# Altium PCB dev-board.PcbDoc (part 2 of 3)
Units mil, origin at the board's own origin, x right, y up, seen from the top; angles counter-clockwise.
Board outline 5607.36 x 4976.81 mil, 4 copper layers (Top Layer, Mid Layer 1, Mid Layer 2, Bottom Layer), stack 62.449 mil thick; 260 components, 115 nets, 707 pads, 1011 vias.
Unrouted connection lines stored in the file: 1.
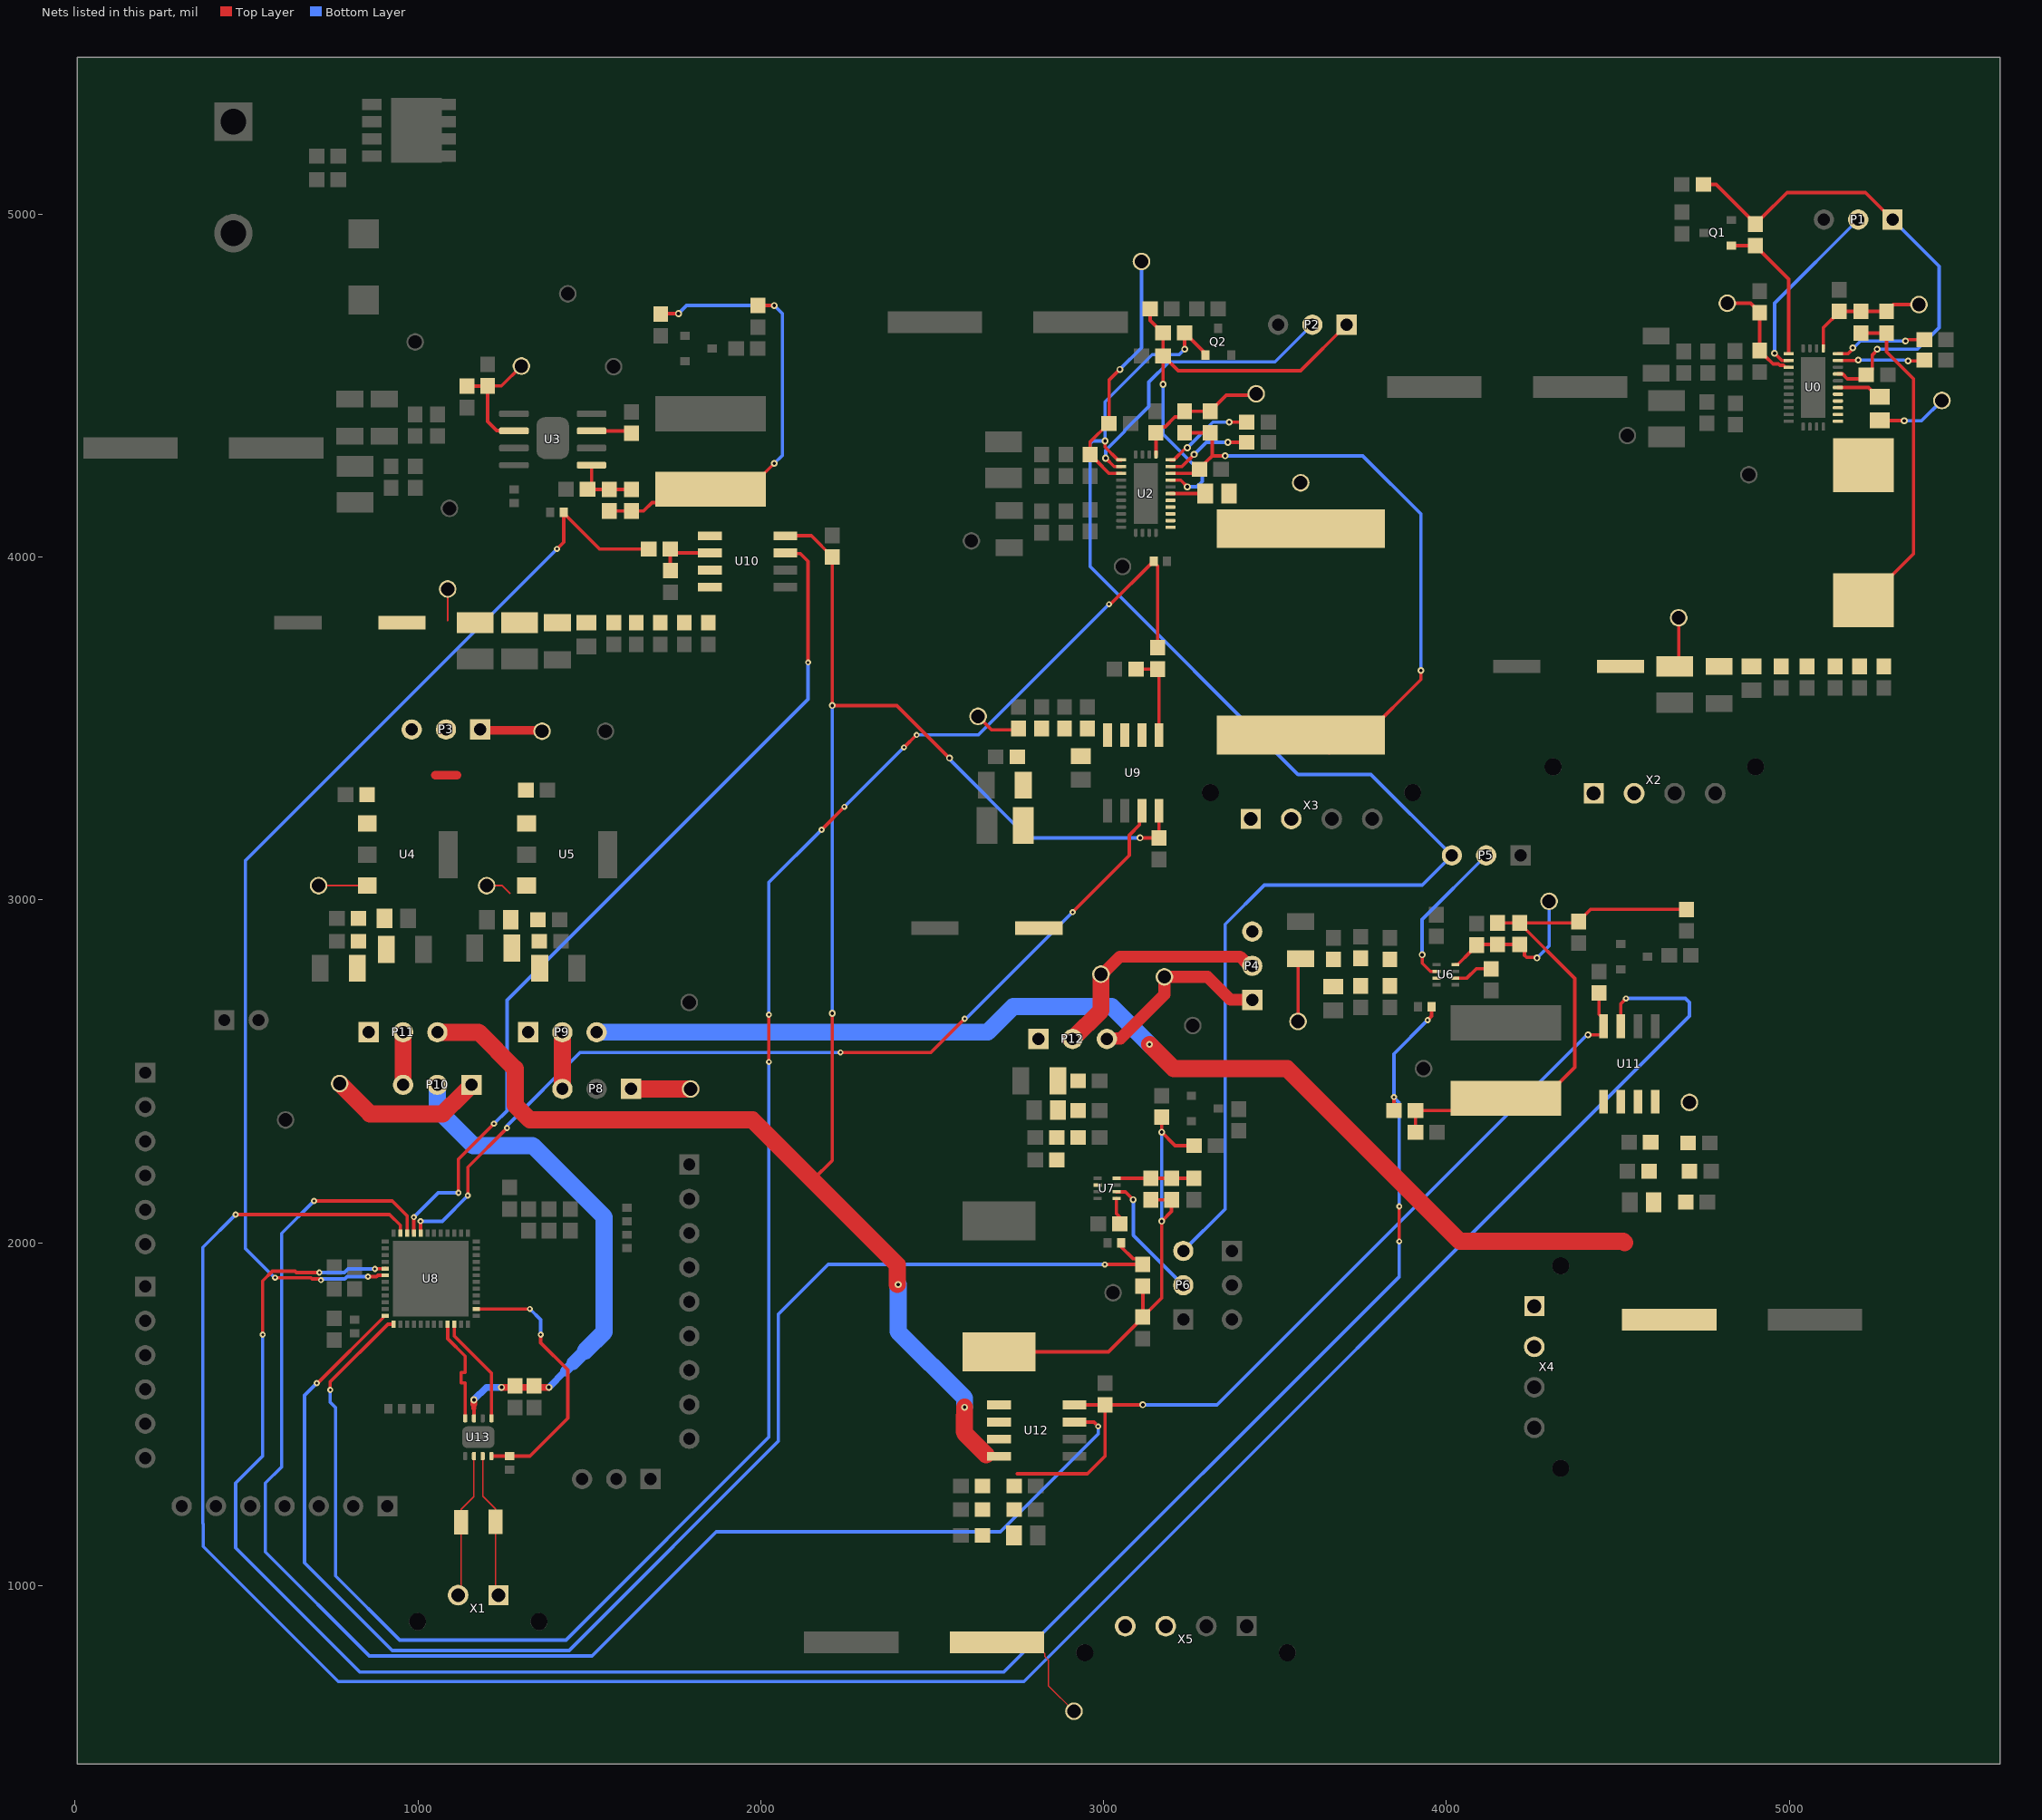
[diagram p4: the nets of this part, all layers, seen from the top]

## Part data (continued)
R25: library part RES-110K-0001, "110 kOhms ±1% 0.1W, 1/10W Chip Resistor 0603 (1608 Metric) Moisture Resistant Thick Film", Package Size=0603, Power="1/10 W", Resistance="110 kOhm", Tolerance="+/- 1%", Assembled?=No
R31: library part RES-30.9K-0001, "30.9 kOhms ±1% 0.1W, 1/10W Chip Resistor 0603 (1608 Metric) Moisture Resistant Thick Film", Package Size=0603, Power="1/10 W", Resistance="30.9 kOhm", Tolerance=1%, Assembled?=No
R32: library part RES-4.7K-0002, "RES SMD 4.7K OHM 1% 1/10W 0603", Manufacturer=YAGEO, Package Size=0603, Power Rating=1/10W, Resistance="4.7kOhm +/-1%", Assembled?=no, Manufacturer Part Number=AF0603FR-074K7L
R37: library part RES-220-003, "220 Ohms ±5% 0.1W, 1/10W Chip Resistor 0603 (1608 Metric) Automotive AEC-Q200, Moisture Resistant Thick Film", Package Size=0603, Power="1/10 W", Resistance="220 Ohm", Tolerance="+/- 5%"
R39: library part RES-73.2K-0001, "73.2 kOhms ±1% 0.1W, 1/10W Chip Resistor 0603 (1608 Metric) Moisture Resistant Thick Film", Package Size=0603, Power="1/10 W", Resistance="73.2 kOhm", Tolerance=1%, Assembled?=No
R41 R44 R45 R46 R47: library part RES-4.7K-0001, "RES SMD 4.7K OHM 1% 1/16W 0402", Manufacturer=YAGEO, Package Size=0402, Power Rating=1/16W, Resistance="4.7kOhm +/-1%", Assembled?=no, Manufacturer Part Number=RC0402FR-074K7P
TP1 TP2 TP3 TP4 TP5 TP6 TP7 TP8 TP9 TP10 TP11 TP12 TP13 TP14 TP15 TP16 TP17 TP18 TP19 TP20 TP21 TP22 TP23 TP24 TP25 TP26 TP27 TP28 TP29 TP30 TP31 TP32 TP33 TP34 TP35: library part TEST-POINT-0001, "Oranange PC Test Point, Miniature Phoisphor Bronze Silver Plating Through Hole Mounting Type"
U0 U2: library part IC-BUCK-0006, "Buck Switching Regulator IC Positive Adjustable 1V 1 Output 5A 30-WFQFN Exposed Pad", Current=5A, Manufacturer="Texas Instruments", Package=30-WFQFN, Assembled?=no, Manufacturer Part Number=LM76005RNPR, Type=Buck
U3: library part IC-BUCK-0007, "Buck Switching Regulator IC Positive Adjustable 1V 1 Output 2A 8-PowerSOIC (0.154\", 3.90mm Width)", Current=2A, Manufactuer="Texas Instruments", Package=8-PowerSOIC, Assembled?=no, Manufacturer Part Number=LMR38020SDDAR, Type=Buck
U4: library part IC-LDO-5V-0003, "Linear Voltage Regulator IC Positive Fixed 1 Output 500mA SOT-223-4", Current="500 mA", Manufacturer="Texas Instruments", Package Size=SOT223-4, Assembled?=no, Manufacturer Part Number=UA78M05IDCYR, Type="Low dropout (LDO)"
U5: library part IC-LDO-3.3V-0002, "Linear Voltage Regulator IC Positive Fixed 1 Output 500mA SOT-223-4", Current="500 mA", Package=SOT-223-4, Vin=25V, Vout=3.3V
U6: library part IC-BUCK-0010, "Buck Switching Regulator IC Positive Adjustable 0.8V 1 Output 3A SOT-583", Current=3A, Manufacturer="Texas Instruments", Assembled?=no, Manufacturer Part Number=TPS62933ODRLR, Type=Buck
U7: library part IC-BUCK-0008, "Buck Switching Regulator IC Positive Adjustable 0.6V 1 Output 3A SOT-583", Current=3A, Manufacturer="Texaas Instruments", Package Size=SOT-583, Assembled?=no, Manufacturer Part Number=TPS563212DRLR, Type=Buck
U8: library part IC-STM32G431CBU6, "128KB 1.71V~3.6V ARM-MSeries 32KB 170MHz FLASH 42 UFQFPN-48(7x7) Microcontroller Units (MCUs/MPUs/SOCs) ROHS", Package=UFQFPN-48, Assembled?=no, Manufacturer Part Number=STM32G431CBU6
U9 U10 U11 U12: library part IC-CURRENT-0004, "Current Sensor 1 Channel Hall Effect Bidirectional 8-SOIC (0.154\", 3.90mm Width)", Supply Voltage=5V, Assembled?=No
U13: library part IC-CAN-TRANSCEIVER-0002, "1/1 Transceiver CANbus 8-VSON (3x3)", Manufacturer="Texas Instrument", CAN Capability=FD-CAN, Manufacturer Part Number=TCAN1042HGDRBTQ1
X1: library part "Micro-Fit Molex 2 Pin Vertical", Package=43650-0215, DeviceName=43650-0215, DeviceSetName=HEADER_POS2_?, GateName_1=G$1, LibraryName=con-molex-micro-fit-3_0_2, SymbolName_1=HEADER_POS2
X2 X3 X4 X5: library part "Micro-Fit Molex 4 Pin Vertical", Package=43650-0415, DeviceName=43650-0415, DeviceSetName=HEADER_POS4_?, GateName_1=G$1, LibraryName=con-molex-micro-fit-3_0_2, SymbolName_1=HEADER_POS4

## Via types
v1: diameter 20, hole 10, Top Layer to Bottom Layer, tented both sides, 931 vias
v2: diameter 17.72, hole 7.87, Top Layer to Bottom Layer, tented both sides, 56 vias
v3: diameter 11.81, hole 7.87, Top Layer to Bottom Layer, 24 vias

## Nets (pads, with @x,y where several pads share a name; then routed paths per layer and width w, separated by ;. In a path a pad name is that pad's centre, name@x,y a point inside that pad or via, vN(x,y) a via of type N, cw(c..) or ccw(c..) an arc to the next point about the centre after c; other vN are vias at no path point)
3V3_BUCK_MAIN: C102.1 C103.1 C104.1 C105.1 C106.1 C107.1 C108.1 P9.3 TP23.1 U11.3 U11.4 X4.P$1 X4.P$2 | length 3319.8
  Top Layer w50: v1(3133.86,2578.74) 3204.72,2507.87 3535.43,2507.87 4039.37,2003.94 4515.75,2003.94 4519.69,2000
  Bottom Layer w50: P9.3@1521.26,2614.17 1521.61,2614.52 2661.76,2614.52 2736.22,2688.98 3023.62,2688.98 v1@3137.41,2575.19
3V3_BUCK_OUT: C101.1 C109.1 L4.2 R29.1 R30.1 R31.1 R32.1 U11.1 U11.2 | length 1635.3
  Top Layer w10: C109.1@3909.45,2322.83 R30.1@3909.45,2385.83 4137.8,2385.83 L4.2@4173.23,2421.26 4283.46,2421.26 4374.02,2511.81 4374.02,2771.18 4212.32,2932.87 C101.1@4148.31,2932.87 ; R31.1@4213.31,2932.87 4381.69,2932.87 R32.1@4385.83,2937.01 4385.83,2937.99 4420.28,2972.44 R29.1@4699.8,2972.44
3V3_CURR: U8.11 U11.7 | length 7143.4
  Top Layer w10: v2(468.5,2082.68) 917.32,2082.68 948.82,2051.18 U8.11@948.82,2028.39 ; U11.7@4508.31,2631.61 4508.31,2697.28 v2(4523.62,2712.6)
  Bottom Layer w10: v2(468.5,2082.68) 372.5,1986.67 372.5,1181.97 374.02,1180.45 374.02,1114.17 767.72,720.47 2767.72,720.47 4708.66,2661.42 4708.66,2700.79 4696.85,2712.6 v2(4523.62,2712.6)
3V3_EXT: P8.1 TP28.1 | length 174
  Top Layer w50: P8.1@1621.26,2448.82 TP28.1@1795.28,2448.82
3V3_LDO_OUT: C88.1 C89.1 C90.1 C91.2 C92.1 P9.1 TP20.1 U5.3 | length 76.5
  Top Layer w5: TP20.1@1200.31,3041.57 1245.83,3041.57 1267.72,3019.68
3V3_ONBOARD: P8.3 P9.2 | length 165.4
  Top Layer w50: P8.3@1421.26,2448.82 P9.2@1421.26,2614.17
3V3_TMP: R30.2 R33.2 U8.17 | length 6087
  Top Layer w10: v2(547.24,1732.28) 547.24,1888.67 575.69,1917.12 641.23,1917.12 644.97,1913.39 v2(712.6,1913.39) ; v2(874.58,1923.79) 875.2,1924.41 903.9,1924.41 U8.17@904.53,1925.04 ; R30.2@3846.46,2385.83 v2(3846.46,2425.2) ; v2(3862.2,2003.94) v2(3862.2,2106.3) ; v2(3944.88,2649.61) 3956.69,2661.42 R33.2@3956.69,2688.98
  Bottom Layer w10: v2(547.24,1732.28) 547.24,1377.95 468.5,1299.21 468.5,1110.24 830.71,748.03 2708.66,748.03 3862.2,1901.57 v2(3862.2,2003.94) ; v2(712.6,1913.39) 785.57,1913.41 795.95,1923.79 v2(874.58,1923.79) ; v2(3862.2,2106.3) 3862.2,2407.36 3846.46,2423.11 v2(3846.46,2425.2) 3846.46,2551.18 v2(3944.88,2649.61)
5V: C133.1 C134.1 P10.2 U13.3 | length 1539.3
  Top Layer w10: U13.3@1163.39,1488.19 1163.39,1517.72
  Top Layer w15: 1163.39,1517.72 1163.39,1529.53
  Top Layer w20: 1163.39,1529.53 v1(1163.39,1541.89) ; v1(1244.09,1578.74) v1(1381.89,1578.74)
  Bottom Layer w20: v1(1163.39,1541.89) 1200.23,1578.74 v1(1244.09,1578.74) ; v1(1381.89,1578.74) 1429.13,1625.98
  Bottom Layer w30: 1429.13,1625.98 1452.76,1649.61
  Bottom Layer w40: 1452.76,1649.61 1488.19,1685.04
  Bottom Layer w50: P10.2@1056.69,2460.63 1056.69,2388.19 1161.42,2283.46 1334.65,2283.46 1543.31,2074.8 1543.31,1740.16 1488.19,1685.04
5V_BUCK_MAIN: C43.1 C65.1 C100.1 C119.1 C124.1 C125.1 C126.1 C127.1 C128.1 C129.1 C130.1 P11.3 TP26.1 U9.8 U10.8 U11.8 U12.3 U12.4 U12.8 X5.P$3 X5.P$4 | length 8436.3
  Top Layer w4: C124.1@2688.98,834.65 2795.28,834.65 2828.74,801.18 2828.74,793.31 2838.58,783.46 2838.58,708.66 TP26.1@2913.39,633.86
  Top Layer w10: U10.8@2072.05,4062.13 2147.52,4062.13 2208.66,4000.98 C65.1@2208.66,4000 v1(2208.66,3566.93) 2397.13,3566.93 v1(2550.33,3413.73) ; 2151.32,2182.82 2208.66,2240.16 v1(2208.66,2669.29) ; 2748.03,1326.77 2952.76,1326.77 3003.94,1377.95 C119.1@3003.94,1527.56 v1(3114.17,1527.56) ; U12.8@2915.24,1527.13 C119.1@3003.5,1527.13 ; v1(3106.3,3181.1) C43.1@3161.61,3181.1 U9.8@3161.61,3260.43 ; v1(4412.53,2606.65) 4450.51,2606.65 4458.31,2614.44 U11.8@4458.31,2631.61 4458.31,2653.27 4444.88,2666.69 C100.1@4444.88,2728.35
  Top Layer w50: P11.3@1056.69,2614.17 1177.17,2614.17 1283.46,2507.87 1283.46,2401.57 1326.77,2358.27 1975.87,2358.27 2151.32,2182.82 2397.64,1936.5 v1@2397.64,1878.3 ; v1(2594.49,1520.52) 2594.49,1496.9 2593.63,1496.05 2593.63,1449.67 2594.49,1448.82 2594.49,1444.88 2657.48,1381.89
  Bottom Layer w10: v1(2208.66,2669.29) v1(2208.66,3566.93) ; v1@2547.24,3413.39 2779.53,3181.1 v1(3106.3,3181.1) ; v1(3114.17,1527.56) 3330.71,1527.56 v1@4409.45,2606.3
  Bottom Layer w50: v1(2400.72,1878.3) 2400.72,1741.01 2594.49,1547.24 v1(2594.49,1520.52)
5V_BUCK_OUT: C121.1 C131.1 L5.2 R35.1 R37.1 R38.2 R39.1 U12.1 U12.2 | length 1402.8
  Top Layer w10: L5.2@2694.76,1682.32 3014.02,1682.32 3114.17,1782.48 C121.1@3114.17,1783.46 C121.1@3114.17,1784.45 ; R35.1@3114.17,1874.02 C121.1@3114.17,1784.45 ; R39.1@3137.95,2125.28 C131.1@3197.95,2125.28 3197.76,2125.09 3197.76,2091.46 v1(3169.29,2062.99) 3169.29,1839.57 C121.1@3114.17,1784.45 ; v1@3168.66,2323.47 3208.66,2283.46 R37.1@3263.78,2283.46 ; v1(3169.29,2322.83) R38.2@3169.29,2366.14
  Bottom Layer w10: v1(3169.29,2062.99) v1(3169.29,2322.83)
5V_CURR: U8.10 U12.7 | length 4341.1
  Top Layer w10: v2(696.85,2122.05) 925.2,2122.05 968.5,2078.74 U8.10@968.5,2028.39 ; U12.7@2915.24,1477.13 2971.69,1477.13 v2(2984.25,1464.57)
  Bottom Layer w10: v2(696.85,2122.05) 602.36,2027.56 602.36,1346.46 555.12,1299.21 555.12,1098.43 858.27,795.28 1507.87,795.28 1870.08,1157.48 2698.87,1157.48 2984.25,1442.87 v2(2984.25,1464.57)
5V_EXT: P10.1 TP29.1 | length 456.6
  Top Layer w50: TP29.1@771.65,2464.57 860.03,2376.19 1072.25,2376.19 1132.17,2436.1 P10.1@1156.69,2460.63
5V_LDO_OUT: C82.1 C83.1 C84.1 C85.2 C86.1 P11.1 TP19.1 U4.3 | length 141.9
  Top Layer w5: TP19.1@710.31,3041.57 U4.3@852.2,3041.57
5V_ONBOARD: P10.3 P11.2 | length 153.5
  Top Layer w50: P10.3@956.69,2460.63 P11.2@956.69,2614.17
5V_TMP: R35.2 R36.2 U8.24 | length 4152.1
  Top Layer w10: v2(704.72,1590.55) 706.2,1592.03 709.09,1592.03 898.7,1781.64 898.7,1786.34 899.61,1787.24 U8.24@904.3,1787.24 ; v2(3003.27,1936.74) 3003.53,1937.01 R35.2@3114.17,1937.01 3114.17,1937.2 3097.52,1953.85 3085.52,1953.85 3051.18,1988.19 R36.2@3051.18,2000
  Bottom Layer w10: v2(704.72,1590.55) 669.29,1555.12 669.29,1066.93 924.99,811.23 1441.15,811.23 2051.18,1421.26 2051.18,1791.34 2196.59,1936.74 v2(3003.27,1936.74)
12V_2A_BUCK_MAIN: C68.1 C69.1 C70.1 C71.1 C72.1 C73.1 C74.1 C75.1 C76.1 C77.1 P3.3 TP18.1 U10.3 U10.4 | length 91.9
  Top Layer w5: 1086.61,3814.96 TP18.1@1086.61,3906.89
12V_2A_BUCK_OUT: C78.1 C79.1 L3.2 R21.1 R23.1 R24.1 R25.1 U10.1 U10.2 | length 1591.2
  Top Layer w10: R25.1@1558.31,4134.53 1658.15,4134.53 1682.75,4159.13 1814.91,4159.13 L3.2@1853.31,4197.52 1963.54,4197.52 2039.06,4273.03 v1(2039.37,4273.03) ; R23.1@1708.31,4708.62 1709.72,4710.04 v1(1759.84,4710.04) ; C79.1@1736.22,3960.63 R24.1@1736.22,4023.62 1747.72,4012.13 U10.2@1851.57,4012.13 ; R21.1@1991.3,4733.66 v1(2039.37,4733.66)
  Bottom Layer w10: v1(1759.84,4710.04) 1783.46,4733.66 v1(2039.37,4733.66) 2062.99,4710.04 2062.99,4296.65 v1(2039.37,4273.03)
12V_2A_CURR: U8.9 U10.7 | length 2546.5
  Top Layer w10: U8.9@988.19,2028.39 v2(988.19,2074.8) ; v2(1118.11,2145.67) 1118.11,2243.76 v2(1221.8,2347.46) ; U10.7@2072.05,4012.13 2073.83,4010.35 2115.64,4010.35 2138.1,3987.89 v2(2138.1,3692.64)
  Bottom Layer w10: v2(988.19,2074.8) 1059.06,2145.67 v2(1118.11,2145.67) ; v2(1221.8,2347.46) 1259.84,2385.5 1259.84,2707.33 2138.1,3585.59 v2(2138.1,3692.64)
12V_2A_TMP: R24.2 R26.1 U8.18 | length 3277.5
  Top Layer w10: v2(583.5,1898.26) 583.82,1897.95 687.84,1897.95 691.24,1894.55 704.76,1894.55 ; 704.79,1894.53 716.72,1894.53 717.43,1893.82 v2(717.43,1891.19) ; v2(854.33,1901.57) 879.03,1901.57 882.81,1905.35 U8.18@904.53,1905.35 ; v2(1405.51,4023.62) 1425.2,4043.31 R26.1@1425.2,4127.95 ; R26.1@1425.2,4129.92 R26.1@1425.2,4127.95 ; R24.2@1673.23,4023.62 1529.53,4023.62 R26.1@1425.2,4127.95
  Bottom Layer w10: v2(583.5,1898.26) 582.05,1898.26 496.91,1983.41 496.91,3115.02 v2(1405.51,4023.62) ; v2(717.43,1891.19) 717.43,1894.55 786.51,1894.55 793.53,1901.57 v2(854.33,1901.57)
12V_5A_BOOT: C42.2 U2.6 | length 101.2
  Top Layer w10: U2.6@3194.88,4185.04 C42.2@3296.06,4185.04
12V_5A_CURR: U8.8 U9.7 | length 2741.9
  Top Layer w10: U8.8@1007.87,2028.39 v2(1007.87,2062.99) ; v2(1145.67,2137.8) 1145.67,2220.47 v2(1259.84,2334.65) ; v2(2232.28,2555.12) 2496.06,2555.12 v2(2594.49,2653.54) ; v2(2909.45,2964.57) 3074.8,3129.92 3074.8,3188.98 3104.71,3218.88 3104.71,3253.53 U9.7@3111.61,3260.43
  Bottom Layer w10: v2(1007.87,2062.99) 1070.87,2062.99 v2(1145.67,2137.8) ; v2(1259.84,2334.65) 1259.84,2341.89 1473.07,2555.12 v2(2232.28,2555.12) ; v2(2594.49,2653.54) 2598.43,2653.54 v2(2909.45,2964.57)
12V_5A_EN: R11.1 R13.1 TP9.1 U2.18 | length 741.7
  Top Layer w10: v1(3047.24,4547.24) 3015.75,4515.75 R13.1@3015.75,4389.76 3014.76,4389.76 2960.63,4335.63 R11.1@2960.63,4299.21 2960.63,4298.23 2977.28,4281.57 2978.27,4281.57 3015.67,4244.17 3051.1,4244.17 U2.18@3051.18,4244.09
  Bottom Layer w10: v1(3047.24,4547.24) 3110.24,4610.24 TP9.1@3110.24,4864.44
12V_5A_FB: C48.2 R17.2 R18.1 TP12.1 U2.12 | length 403.9
  Top Layer w10: U2.12@3152.56,4299.21 R18.1@3152.56,4362.2 3152.56,4363.19 3169.21,4379.84 3179.06,4379.84 3207.56,4408.35 3219.57,4408.35 3236.22,4425 C48.2@3236.22,4425.2 R17.2@3311.02,4425.2 3311.02,4426.18 3357.28,4472.44 3440.94,4472.44 TP12.1@3444.88,4476.38
12V_5A_MAIN: C44.1 C49.1 C50.1 C51.1 C52.1 C53.1 C54.1 C55.1 C56.1 P4.3 P12.1 TP11.1 U9.3 U9.4 X3.P$1 X3.P$2 | length 110.8
  Top Layer w10: TP11.1@2633.86,3535.43 2673.23,3496.06 2728.35,3496.06
12V_5A_MODE: P2.2 U2.17 | length 874.8
  Top Layer w10: v1(3005.97,4288.35) 3030.54,4263.78 U2.17@3051.18,4263.78
  Bottom Layer w10: v1@3005.97,4288.81 3005.97,4311.51 3061.08,4366.63 3061.08,4368.62 3131.95,4439.49 3131.95,4510.35 3191,4569.41 3499.98,4569.41 P2.2@3608.28,4677.72
12V_5A_OUT: C37.1 C39.1 C48.1 L2.2 R14.1 R17.1 U2.9 U9.1 U9.2 | length 2199.9
  Top Layer w10: C37.1@3094.49,3673.23 R14.1@3157.48,3673.23 3161.61,3669.09 U9.1@3161.61,3480.91 ; U2.9@3194.88,4244.09 3275.59,4244.09 3279.53,4248.03 C39.1@3280.51,4248.03 ; C48.1@3236.22,4362.2 R17.1@3311.02,4362.2 3316.48,4356.75 3316.48,4295.28 ; C39.1@3279.53,4251.97 3280.51,4251.97 3297.17,4268.62 3297.17,4275.97 3316.48,4295.28 ; v1(3354.33,4295.28) 3316.48,4295.28 ; L2.2@3574.8,3480.91 L2.2@3605.89,3480.91 ; L2.2@3657.48,3429.31 L2.2@3605.89,3480.91 ; v1(3925.2,3669.29) 3925.2,3642.82 3763.29,3480.91 L2.2@3605.89,3480.91
  Bottom Layer w10: v1(3354.33,4295.28) 3755.91,4295.28 3925.2,4125.98 v1(3925.2,3669.29)
12V_5A_PG: P5.3 P6.3 Q2.1 R12.1 U2.16 | length 4185.1
  Top Layer w10: v1(3003.94,4338.58) 3003.94,4321.02 3041.5,4283.46 U2.16@3051.18,4283.46 ; v1(3236.22,4606.3) R12.1@3236.22,4653.54 3237.2,4653.54 3290.08,4600.67 3290.08,4595.43 Q2.1@3296.89,4588.62
  Bottom Layer w10: P6.3@3232.28,1976.38 3354.33,2098.43 3354.33,2929.13 3468.5,3043.31 3929.13,3043.31 P5.3@4015.75,3129.92 3779.53,3366.14 3566.93,3366.14 2960.63,3972.44 2960.63,4330.71 2968.5,4338.58 v1(3003.94,4338.58) 3003.94,4452.76 3141.73,4590.55 3220.47,4590.55 v1(3236.22,4606.3)
12V_5A_RT: R16.1 U2.10 | length 251.8
  Top Layer w10: U2.10@3194.88,4263.78 3228.35,4263.78 v1(3263.78,4299.21) ; v1(3362.2,4334.65) R16.1@3417.32,4334.65
  Bottom Layer w10: v1(3263.78,4299.21) 3299.21,4334.65 v1(3362.2,4334.65)
12V_5A_SS: C41.1 U2.11 | length 264.2
  Top Layer w10: U2.11@3194.88,4283.46 3204.57,4283.46 3238.09,4316.98 3242.18,4316.98 v1(3244.09,4318.9) ; v1(3366.14,4393.7) C41.1@3417.32,4393.7
  Bottom Layer w10: v1(3244.09,4318.9) 3318.9,4393.7 v1@3362.2,4393.7
12V_5A_SW: C42.1 L2.1 TP10.1 U2.1 U2.2 U2.3 U2.4 U2.5
12V_5A_TMP: R14.2 R15.2 U8.25 | length 5798
  Top Layer w10: v2(744.09,1570.87) 744.09,1594.49 912.24,1762.64 U8.25@929.13,1762.64 ; v2(2023.62,2527.56) v2(2023.62,2665.35) ; v2(2177.17,3204.72) v2(2244.09,3271.65) ; v2(2417.32,3444.88) 2418.05,3444.88 v2(2454.49,3481.32) ; v2(3015.75,3862.2) 3019.68,3862.2 3136.89,3979.41 3138.86,3979.41 R15.2@3145.67,3986.22 ; R15.2@3145.67,3988.19 R15.2@3145.67,3986.22 ; R14.2@3157.48,3736.22 3157.48,3974.41 R15.2@3145.67,3986.22
  Bottom Layer w10: v2(744.09,1570.87) 744.09,1535.43 759.84,1519.69 759.84,1028.28 946.7,841.43 1431.98,841.43 2023.62,1433.07 v2(2023.62,2527.56) ; v2(2023.62,2665.35) 2023.62,3051.18 v2(2177.17,3204.72) ; v2(2244.09,3271.65) v2(2417.32,3444.88) ; v2(2454.49,3481.32) 2634.86,3481.32 v2(3015.75,3862.2)
12V_5A_VCC: C40.1 P2.1 R10.1 R12.2 U2.8 | length 1283.8
  Top Layer w10: R10.1@3135.39,4723.62 3135.39,4690.39 3173.23,4652.56 C40.1@3173.23,4586.61 3174.21,4586.61 3175.69,4585.14 3217.52,4543.31 3574.33,4543.31 P2.1@3708.74,4677.72 ; v1(3173.23,4503.94) 3173.23,4582.68 C40.1@3177.17,4586.61 ; U2.8@3194.88,4224.41 3224.72,4224.41 v1(3244.09,4205.04)
  Bottom Layer w10: v1(3173.23,4503.94) 3173.23,4358.27 3287.4,4244.09 3287.4,4220.47 3271.97,4205.04 v1(3244.09,4205.04)
12V_BUCK_IN: C93.1 C94.1 C95.1 C96.1 C97.1 C98.1 C112.1 C113.1 C114.1 C115.1 C116.1 C117.1 C118.1 C145.1 P4.2 P12.2 TP21.1 TP25.1 U6.3 U7.2 | length 883
  Top Layer w10: TP21.1@3566.93,2645.67 3566.93,2820.87 C93.1@3574.8,2828.74
  Top Layer w35: TP25.1@2992.13,2783.46 2996.5,2783.46 3047.69,2834.65 3397.64,2834.65 3419.81,2812.48 3428.7,2812.48 P4.2@3433.31,2807.87
  Top Layer w50: P12.2@2909.45,2594.49 2992.13,2677.17 TP25.1@2992.13,2783.46
12V_EXT: P4.1 P12.3 TP32.1 | length 549
  Top Layer w35: P12.3@3009.45,2594.49 3011.18,2596.22 3048.98,2596.22 3177.17,2724.41 ; 3177.17,2732.28 TP32.1@3177.17,2775.59 3303.15,2775.59 3369.53,2709.21 3431.97,2709.21 P4.1@3433.31,2707.87
12V_EXT_LDO_IN: P3.1 TP35.1 | length 182.5
  Top Layer w25: P3.1@1181.81,3497.13 1184.31,3494.63 1359.7,3494.63 TP35.1@1362.2,3492.13
12V_LDO_IN: C81.1 C87.1 P3.2 U4.1 U5.1 | length 63
  Top Layer w25: 1051.18,3363.58 1114.17,3363.58
24V_5A_BOOT: C13.2 U0.6 | length 133.3
  Top Layer w10: U0.6@5141.57,4494.61 5230.79,4494.61 5257.68,4467.72 C13.2@5263.78,4467.72
24V_5A_EN: R1.1 R2.1 TP3.1 U0.18 | length 322
  Top Layer w10: TP3.1@4818.9,4740.16 4886.81,4740.16 4913.39,4713.58 R2.1@4913.39,4712.6 R1.1@4913.39,4602.36 4913.39,4601.38 4930.04,4584.72 4930.83,4584.72 4952.56,4562.99 4968.39,4562.99 4971.96,4559.43 4982.43,4559.43 4988.19,4553.66 U0.18@4997.87,4553.66
24V_5A_FB: C27.2 R8.2 R9.1 TP6.1 U0.12 | length 368
  Top Layer w10: U0.12@5099.25,4608.78 5099.25,4669.13 5145.67,4715.55 R9.1@5145.67,4716.54 C27.2@5208.66,4716.54 R8.2@5283.46,4716.54 5283.46,4717.52 5300.12,4734.17 5301.1,4734.17 5303.15,4736.22 TP6.1@5377.95,4736.22
24V_5A_MAIN: C15.1 C19.1 C20.1 C21.1 C22.1 C23.1 C24.1 C25.1 C26.1 C27.1 L1.2 R8.1 TP5.1 X2.P$1 X2.P$2 | length 1099.7
  Top Layer w10: C19.1@4665.35,3681.1 4677.17,3692.91 TP5.1@4677.17,3822.83 ; C27.1@5208.66,4653.54 R8.1@5283.46,4653.54 5283.46,4598.43 5362.2,4519.69 5362.2,4009.84 5226.38,3874.02 L1.2@5216.54,3874.02
24V_5A_MODE: P1.2 U0.17 | length 540.8
  Top Layer w10: v1(4956.69,4594.49) 4977.76,4573.43 4997.8,4573.43 U0.17@4997.87,4573.35
  Bottom Layer w10: v1(4956.69,4594.49) 4956.69,4740.16 P1.2@5200.79,4984.25
24V_5A_PG: Q1.1 R7.1 U0.16 | length 425.7
  Top Layer w10: Q1.1@4830.59,4908.11 R7.1@4901.22,4908.11 4901.22,4907.13 4997.87,4810.47 U0.16@4997.87,4593.03
24V_5A_RT: R5.1 U0.10 | length 231.2
  Top Layer w10: U0.10@5151.34,4573.43 5199.41,4573.43 v1(5200.79,4574.8) ; v1(5346.27,4572.21) 5391.1,4572.21 R5.1@5393.7,4574.8
  Bottom Layer w10: v1(5200.79,4574.8) 5333.5,4574.8
24V_5A_SS: C12.1 U0.11 | length 271.1
  Top Layer w10: U0.11@5141.57,4593.03 5171.34,4593.03 5183.13,4604.82 5183.13,4608.32 v1(5185.04,4610.24) ; v1(5338.58,4629.92) 5341.29,4629.92 5345.23,4633.86 C12.1@5393.7,4633.86
  Bottom Layer w10: v1(5185.04,4610.24) 5187.75,4610.24 5207.43,4629.92 v1(5338.58,4629.92)
24V_5A_SW: C13.1 L1.1 TP4.1 U0.1 U0.2 U0.3 U0.4 U0.5 | length 204.6
  Top Layer w10: C13.1@5263.78,4398.43 v1@5333.86,4398.43
  Bottom Layer w10: v1(5334.92,4397.36) 5385.55,4397.36 TP4.1@5444.88,4456.69
24V_5A_VCC: C11.1 P1.1 R6.1 R7.2 U0.8 | length 1429.9
  Top Layer w10: R6.1@4749.21,5086.61 4786.69,5086.61 R7.2@4901.22,4972.09 ; R7.2@4901.22,4971.1 R7.2@4901.22,4972.09 ; U0.8@5141.57,4533.98 5155,4533.98 5169.29,4519.69 5212.6,4519.69 C11.1@5224.41,4531.5 ; C11.1@5225.39,4531.5 5242.05,4548.15 5242.05,4589.73 5255.91,4603.59 v1(5255.91,4606.3) ; P1.1@5300.79,4984.25 5222.05,5062.99 4993.11,5062.99 4918.86,4988.74 4917.87,4988.74 R7.2@4901.22,4972.09
  Bottom Layer w10: v1(5255.91,4606.3) 5374.02,4606.3 5437.01,4669.29 5437.01,4848.03 P1.1@5300.79,4984.25
BST_3V3_BUCK: C99.1 U6.6 | length 115.3
  Top Layer w10: U6.6@4025.87,2772.01 4059.37,2772.01 4086.57,2799.21 C99.1@4129.92,2799.21
BST_5V_BUCK: C123.1 U7.5 | length 78.2
  Top Layer w10: U7.5@3037.32,2129.21 3037.32,2084.72 3047.24,2074.8 C123.1@3047.24,2055.12
BST_12V_2A_BUCK: C67.1 U3.7 | length 119.9
  Top Layer w10: U3.7@1506.5,4367.99 1615.94,4367.99 C67.1@1623.31,4360.63
CAN_N: R3.1 U13.6 X1.P$2 | length 424.7
  Top Layer w3.72: X1.P$2@1117.12,972.44 1125.98,981.3 R3.1@1125.98,1185.04 1125.98,1222.33 1163.39,1259.73 U13.6@1163.39,1377.95
CAN_P: R3.2 U13.7 X1.P$1 | length 424.7
  Top Layer w3.72: U13.7@1188.98,1377.95 1188.98,1261.42 1226.38,1224.02 R3.2@1226.38,1186.73 1226.38,981.3 X1.P$1@1235.24,972.44
CAN_STB: R41.2 U8.38 U13.8 | length 789.2
  Top Layer w10: U8.38@1170.28,1806.93 1170.35,1807.01 1326.69,1807.01 v2(1326.77,1807.09) ; U13.8@1214.57,1377.95 R41.2@1267.72,1377.95 1326.77,1377.95 1437.01,1488.19 1437.01,1629.92 1358.27,1708.66 v2(1358.27,1732.28)
  Bottom Layer w10: v2(1326.77,1807.09) 1358.27,1775.59 v2(1358.27,1732.28)
EN_3V3_BUCK: P5.2 U6.2 | length 445.9
  Top Layer w10: v1@3929.13,2842.52 3929.13,2815.51 3953.03,2791.61 3970.67,2791.61 U6.2@3970.75,2791.69
  Bottom Layer w10: v1(3928.94,2839.92) 3928.94,2943.12 P5.2@4115.75,3129.92
EN_5V_BUCK: P6.2 U7.6 | length 368.5
  Top Layer w10: U7.6@3037.32,2148.9 3037.4,2148.82 3063.46,2148.82 v1(3086.3,2125.98)
  Bottom Layer w10: v1(3086.3,2125.98) 3086.61,2125.67 3086.61,2022.05 P6.2@3232.28,1876.38
EN_12V_2A_BUCK: R19.2 R20.1 TP14.1 U3.2 | length 374.5
  Top Layer w10: R19.2@1143.31,4498.62 1202.8,4498.62 R20.1@1203.31,4499.13 ; U3.2@1280.12,4367.99 1278.96,4369.15 1229.79,4369.15 1203.31,4395.63 R20.1@1203.31,4499.13 ; TP14.1@1301.81,4557.13 1243.82,4499.13 R20.1@1203.31,4499.13
FB_3V3_BUCK: C101.2 R31.2 R34.1 TP24.1 U6.8 | length 469.3
  Top Layer w10: U6.8@4025.87,2811.38 4032.6,2811.38 4071.65,2850.43 4071.65,2851.73 R34.1@4088.31,2868.39 4089.8,2869.88 C101.2@4148.31,2869.88 R31.2@4213.31,2869.88 4227.41,2855.78 4227.41,2838.48 4233.27,2832.62 4261.87,2832.62 v1(4263.78,2830.71)
  Bottom Layer w10: v1(4263.78,2830.71) 4299.21,2866.14 TP24.1@4299.21,2996.06
FB_5V_BUCK: C131.2 R39.2 R40.1 U7.8 | length 209.9
  Top Layer w10: U7.8@3037.32,2188.27 3122.2,2188.27 3182.2,2188.27 R40.1@3247.2,2188.27
FB_12V_2A_BUCK: C78.2 R25.2 R27.1 U3.5 | length 203.8
  Top Layer w10: U3.5@1506.5,4267.99 1506.5,4209.21 R27.1@1494.8,4197.52 R25.2@1558.31,4197.52 C78.2@1623.31,4197.52
FDCAN1_TX: U8.34 U13.1 | length 319.3
  Top Layer w10: U8.34@1106.3,1762.64 1106.3,1728.35 1214.57,1620.08 U13.1@1214.57,1488.19
FDCAN_RX: U8.33 U13.4 | length 319.3
  Top Layer w10: U8.33@1086.61,1762.64 1086.61,1720.47 1137.8,1669.29 1137.8,1645.67 1137.8,1621.61 1125.97,1621.61 1125.97,1591.61 1137.8,1591.61 1137.8,1586.61 U13.4@1137.8,1488.19